# Allegro board LAY-27392_C.brd (continued)
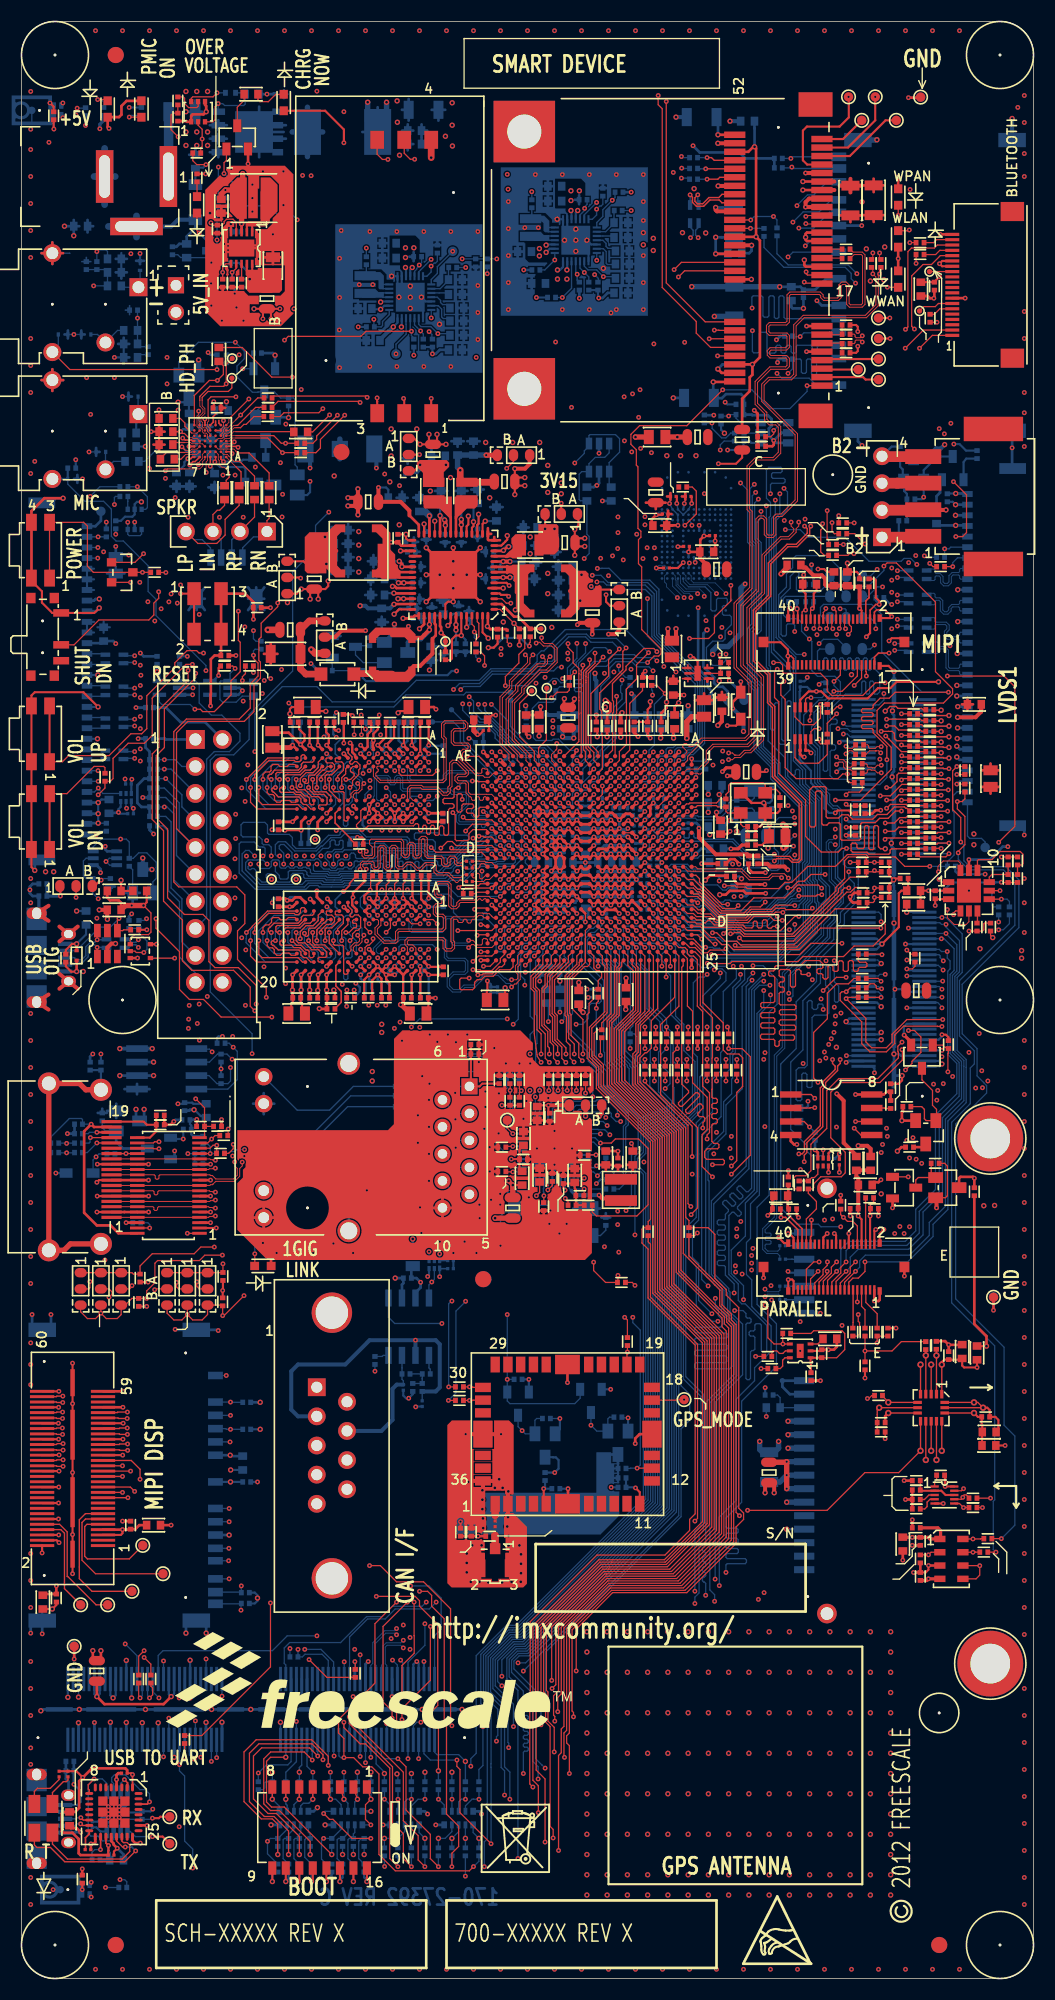
[diagram p0: board, top side]
## Routing (per net, layer and track width the routed paths; a pad name or vN(x,y) marks a point on that pad's centre or on a via; arc(x,y) is an arc through that point) (continued)
ETH_AVDD33: length 4.5
  TOP w0.203: C92.1 46.87,76.21 L18.2 ; C92.1 46.85,77.1 v1(46.1,77.1) ; C92.1 46.87,78.02 C88.1
  BOTTOM w0.127: U516.16 v1(46.1,77.1)
ETH_AVDDL: length 7.3
  TOP w0.119: L16.2 57.53,78.36 57.4,78.49 v1(57.4,78.58)
  TOP w0.127: C89.1 45.66,78.3 v1(46.25,78.3) ; C95.1 45.63,75.9 v1(46.25,75.9) ; C90.1 53.37,77.5 v1(54.07,77.5) ; C98.1 49.96,74.62 v1(49.54,74.2)
  BOTTOM w0.127: U516.8 v1(49.54,74.2) ; U516.19 v1(46.25,78.3) ; U516.13 v1(46.25,75.9) ; U516.44 v1(54.07,77.5)
ETH_LX: length 6
  TOP w0.381: L19.1 56.22,73.41 54.67,73.41 v1(54.36,73.72)
  BOTTOM w0.127: U516.3 51.57,74.34 51.77,74.14
  BOTTOM w0.381: 51.77,74.14 52.19,73.72 v1(54.36,73.72)
ETH_RBIAS: length 2.1
  TOP w0.127: R166.1 49.17,73.04 v1(49.17,73.66)
  BOTTOM w0.127: v1(49.17,73.66) 49.17,73.99 49.12,74.03 49.12,74.35 49.17,74.39 U516.9
ETH_SD: length 2.1
  BOTTOM w0.119: U516.41 53.85,78.7 54.58,77.97 R654.2
ETH_VDDIO_REG: length 9.4
  TOP w0.203: C84.1 48.65,82.17 v1(49.59,82.17) 49.59,81.46 C85.1
  TOP w0.381: v1(49.59,82.17) SH23.1
  BOTTOM w0.119: R636.1 R638.1 50.03,84.96 49.91,84.84 49.91,83.84 50.02,83.73 50.02,82.6 v1(49.59,82.17) 49.57,82.14 U516.29
ETH_WOL_INT: length 41.8
  TOP w0.119: R164.2 53.71,72.14 54.1,71.75 57.91,71.75 58.97,72.81 58.97,78.11 58.07,79 55.89,79 55.5,78.62 v1(54.49,78.62)
  TOP w0.178: U1.V21 v1(49.07,98.61)
  L3_INT_1 w0.114: v1(50.85,90.04) 50.84,90.03 50.84,87.16 50.85,87.15 50.85,86.83 50.84,86.82 50.84,85.25 51.82,84.28 51.82,81.28 54.48,78.62 v1(54.49,78.62)
  BOTTOM w0.119: v1(49.07,98.61) 49.22,98.61 49.63,98.2 50.03,98.2 50.28,97.95 50.28,96.51 51.25,95.53 51.25,90.96 51.06,90.76 51.06,90.25 v1(50.85,90.04)
  BOTTOM w0.127: U516.40 53.22,79.12 53.97,79.12 54.47,78.62 54.48,78.62 v1(54.49,78.62)
GEN_1V8: length 87.9
  TOP w0.127: C103.1 79.88,72.4 79.88,72.77 80.18,73.07 R162.1 ; Q5.2 86.93,73.47 87.12,73.66 87.12,76.45 86.87,76.71 R156.1
  TOP w0.152: J5.4 79.85,128.75 80.39,129.29 v1(80.72,129.29) ; J9.38 73.05,70.48 71.9,71.63 v1(71.47,71.63) ; J5.38 73.05,128.8 v2(72.98,128.88)
  TOP w0.203: v1(71.47,71.63) 71.47,72.36 C104.1 ; v1(79.5,126.24) 79.85,126.59 J5.4 ; R189.1 v1(79.38,56.52) ; C94.1 v1(76.96,75.86) ; R45.1 v2(54.1,118.87) ; v1(80.72,129.29) 80.72,129.59 80.39,129.92 80.39,131.57 80.26,131.69 R26.1 ; v1(74.3,115.32) 74.07,115.54 73.83,115.54 C50.1 73.78,115.59 U10.3 ; R183.1 v1(82.29,61.21) ; J9.4 v1(79.85,71.75) 79.85,72.41 C103.1 ; U15.6 v1(75.94,75.86)
  TOP w0.254: R104.1 67.1,103.28 67.39,102.99 68.27,102.99 68.3,102.95 69.48,102.95 69.48,102.95 v1(69.96,102.95)
  TOP w0.381: SH9.1 31.29,138.56 v2(30.73,138.56) ; SH9.1 v2(31.67,137.72) ; SH9.1 v2(31.67,140.16) ; SH9.1 31.29,139.32 v2(30.73,139.32) ; v1(86.11,72.52) 86.11,73.39 Q5.2
  L6_INT_2 w0.508: v2(16.68,152.29) 18.44,152.29 20.59,150.14 21.06,150.14 22.56,148.64 22.56,147.68 26.47,143.76 26.47,140.56 27.71,139.32 v2(30.73,139.32)
  BOTTOM w0.203: J504.19 77.89,90.34 v2(77.6,90.04) 77.8,89.84 J504.17 ; v1(12.37,15.96) 12.16,15.75 R694.1 11.25,15.64 9.02,15.64 8.71,15.33 8.71,14.97 8.45,14.72 8.17,14.72 8.04,14.59 U519.8 7.45,13.85 7.06,14.24 C767.1 ; J508.19 8.88,26.66 v2(8.64,26.42) 8.38,26.67 J508.17 ; v2(72.98,128.88) 72.98,129.51 C588.1 ; J508.25 v2(10.38,26.42) ; U514.1 10.36,110.29 v1(10.54,110.11) 10.55,110.1 C641.1 ; v1(80.72,129.29) 80.64,129.36 80.64,129.41 80.4,129.66 C585.1 ; J504.25 80.5,91.84 v2(80.9,91.44) ; v1(75.06,121.77) 75.29,122 75.61,122 SH501.1 ; J508.1 v2(4.38,26.48) ; J504.1 80.04,85.84 80.26,85.62 v1(80.26,85.22)
  BOTTOM w0.381: v2(53.97,122.81) 53.97,122.24 54.1,122.11 v2(54.1,118.87)
  BOTTOM w0.508: v2(16.68,152.29) 16.68,150.9 Q505.2
  vias: v1(15.37,24.23)
GEN_2V5: length 10.8
  TOP w0.203: v2(70.39,108.62) 70.39,107.52 R85.2 70.34,107.3 69.7,106.65 R87.1
  TOP w0.254: R46.1 55.12,118.95 55.43,119.26 55.43,119.96 55.12,120.27 v2(54.94,120.27) ; v2(60.71,120.09) 60.71,119.56 60.2,119.05 R50.1
  TOP w0.381: R47.1 56.39,118.98 v2(56.52,119.1)
  BOTTOM w0.254: v2(47.44,119.76) 47.5,119.71 R600.1 ; v2(70.39,108.62) 70.05,108.28 SH503.2
GEN_3V3: length 228.8
  TOP w0.203: v2(38.35,145.29) 38.35,144.73 SH5.2 ; R178.2 v1(18.95,64.74) 18.97,64.77 R169.1 ; v2(26.04,9.14) 26.16,9.27 26.16,10.41 ; v2(39.12,145.29) 39.12,144.73 SH5.2 ; R179.2 v1(11.8,63.25) ; 23.62,10.41 23.62,9.27 v2(23.62,9.14) ; v1(76.25,77.98) 75.94,77.67 U15.1 ; 28.71,10.41 v2(28.71,9.14) ; U10.7 73.28,120.31 74.08,121.11 v1(74.8,121.11) 75.26,121.11 75.92,120.45 79.63,120.45 80.59,121.41 81.76,121.41 82.36,122 v2(86.29,122) ; R19.1 18.57,123.31 v1(18.57,122.61) ; v1(86.39,160.12) 85.9,159.64 C129.1 84.64,159.61 C130.1 ; v1(16.51,80.84) 16.51,80.21 R152.1 ; SH5.2 v2(39.95,144.35) ; SH5.2 v2(37.52,144.35) 36.96,144.91 SH4.1 ; R170.1 v1(11.93,65.54) ; U8.55 43.4,126.66 43.81,126.24 43.81,126.23 v2(43.93,126.11) ; J11.2 v1(1.96,40.06) ; 32.52,10.41 v2(32.52,9.14) ; v2(27.3,9.14) 27.3,9.27 27.43,9.39 27.43,10.41 ; D3.A 28.59,175.73 30.35,173.96 v1(30.35,172.72) ; v1(76.58,109.68) 76.81,109.91 77.88,109.91 78.18,109.61 R77.1 ; J13.15 86.64,161.6 v1(86.39,161.34) 86.63,161.1 J13.14 ; 31.25,10.41 v2(31.25,9.14) ; R28.1 v2(46.86,125.48) ; U13.5 v1(12.72,97.32) ; v1(3.56,41.03) 3.33,41.25 J11.4 ; 29.98,10.41 v2(29.98,9.14) ; U8.27 v2(37.9,136.86) ; U16.2 v1(18.35,70.63) ; v2(24.89,9.14) 24.89,10.41 ; v1(77.09,73.71) R165.1
  TOP w0.254: R149.1 C83.1 81.41,83.45 81.15,83.19 U14.8 v1(78.49,83.19) ; C124.1 2.14,36.19 3.3,36.19 3.3,36.19 v1(3.3,36.96) ; R150.1 82.94,81.6 82.85,81.51 v2(82.85,80.73) Q3.2
  L3_INT_1 w0.203: v1(77.09,73.71) 77.09,74.93 76.45,75.56 76.45,77.77 v1(76.25,77.98) ; v1(52.5,158.09) 53.82,159.41 54.81,159.41 55.35,159.94 55.35,164.76 56.05,165.46 56.05,166.74 v1(57.38,168.07)
  L3_INT_1 w0.508: v1(86.39,161.34) v1(86.39,160.12) 86.39,158.9 89.74,155.55 89.74,140.51 v2(87.9,138.67) 87.9,137.68 v2(87.89,137.67) 87.89,136.74 v2(87.9,136.72)
  L6_INT_2 w0.203: v1(12.72,97.32) 12.73,97.33 12.73,97.71 12.22,98.22 8.15,98.22 7.11,99.26 v1(7.11,99.77) ; v1(18.57,122.61) 16.77,124.41 v1(15.62,124.41) 14.2,124.41 v1(12.78,122.98) 11.61,122.98 v1(11.25,122.63)
  L6_INT_2 w0.305: v1(47.27,160.76) 48.92,159.11 51.49,159.11 v1(52.5,158.09)
  BOTTOM w0.127: v2(7.24,108.71) 7.25,108.71 R614.1
  BOTTOM w0.152: C753.1 40.11,67.56 U517.6 v1(39.36,68.19)
  BOTTOM w0.203: R670.1 v2(22.48,51.69) ; C631.1 7.53,110.94 v2(7.24,110.65) v2(7.24,109.6) v2(7.24,108.71) ; Q509.2 26.89,139.58 27.17,139.85 v1(27.17,140.87) ; R560.1 66.42,148.11 v1(66.22,148.31) ; v1(16.51,80.84) 16.2,80.84 16.15,80.8 C744.1 15.87,80.4 16,80.27 R645.1 16,79.43 16.15,79.27 R647.1 ; U507.5 18.05,122.09 v1(18.57,122.61) ; v2(37.9,136.86) 37.97,136.78 37.97,136.26 C562.1 ; R727.1 65.72,103.7 65.63,103.61 65.63,103.3 v1(65.66,103.28) ; R715.1 29.21,9.78 28.71,9.28 v2(28.71,9.14) ; v2(23.62,9.14) 23.62,9.78 23.88,10.04 R719.1 ; v2(32.52,9.14) 32.52,9.28 32.26,9.54 R712.1 ; R539.1 v1(36.93,152.73) ; R643.1 73.85,81.93 74.02,82.09 v1(74.02,82.55) ; C746.1 76.01,77.74 v1(76.25,77.98) ; v1(17.58,152.98) 17.79,152.77 R554.1 ; v1(90.68,103.91) 88.13,103.91 87.88,104.17 R616.1 ; C603.1 v1(12.78,122.98) 12.99,122.77 U513.5 ; U508.4 68.68,144.49 68.51,144.66 R562.1 67.94,144.61 67.94,144.22 67.54,143.81 v1(66.45,143.81) ; R533.1 v1(31.7,155.4) ; J508.49 16.38,26.67 16.13,26.42 v2(15.88,26.42) 15.62,26.42 15.38,26.65 J508.45 ; R595.1 v1(15.62,124.41) ; R579.1 v1(8,137.03) ; v2(29.98,9.14) 29.98,9.27 30.23,9.52 R714.1 ; R717.1 26.16,9.28 26.04,9.15 v2(26.04,9.14) ; v2(87.9,138.67) 87.62,138.94 R574.1 ; C761.1 v2(19.7,47.86) ; D504.A v1(3.25,75.79) ; J507.4 v2(19.69,46.74) 20.83,46.74 C763.1 ; R674.1 21.97,36.32 22.23,36.07 v2(22.23,35.81) 22.23,35.56 21.97,35.31 R675.1 ; v2(24.89,9.14) 25.15,9.4 R718.1 ; v1(76.58,109.68) 75.97,109.68 75.56,110.08 75.56,111.23 74.3,112.5 74.3,113.64 73.23,114.71 73.23,121.09 73.28,121.15 C602.1 73.93,121.53 74.35,121.11 v1(74.8,121.11) ; U514.6 10.36,112.45 C622.1 10.35,112.79 v1(10.4,112.84) ; v2(31.25,9.14) 31.25,9.28 31.24,9.29 R713.1 ; R716.1 v2(27.3,9.14) ; v2(66.15,145.4) 65.84,145.71 R567.1 ; R666.1 v1(69.98,55.61) ; J508.47 v2(15.88,29.96)
  BOTTOM w0.254: v1(53.34,92.32) 53.36,92.34 R625.1 ; R536.1 v1(52.5,158.09) ; J502.4 88.96,136.72 v2(87.9,136.72) 86.27,136.72 C557.1 ; SH502.1 v1(10.79,119.58) ; R512.1 v1(57.38,168.07) ; J503.3 6.23,109.6 v2(7.24,109.6) ; J502.3 v2(87.89,137.67) ; R612.1 R611.1 11.3,110.24 10.92,110.62 10.92,112.27 11.56,112.9 R607.1 R606.1 R603.1 12.07,115.44 11.69,115.82 R601.1 v1(11,116.66) ; v2(7.24,108.71) 6.25,108.71 J503.2 ; R532.1 v1(47.27,160.76) ; J502.2 v2(87.9,138.67) ; J503.4 v2(7.24,110.65)
  vias: v1(31.22,26.54) v1(51.77,147.83) v2(60.73,143.28) v2(62.03,143.28) v2(63.47,143.28) v2(90.55,72.72) v2(91.57,72.75)
GEN_FB: length 9.1
  TOP w0.119: U8.25 v2(38.9,137.13)
  TOP w0.203: SH4.2 v1(37.46,143.38)
  L3_INT_1 w0.203: v1(37.46,143.38) 37.87,142.98 37.87,142.71 38.03,142.55 38.03,140.15 38.02,140.14 38.02,138.64 38.94,137.73 38.94,137.17 v2(38.9,137.13)
GPANAIO: length 0.6
  TOP w0.178: v1(61.87,109.81) U1.C8
GPIO_0_CLKO: length 185.2
  TOP w0.119: v1(71.12,123.19) 70.87,122.94 70.87,120.52 71.27,120.12 71.27,113.39 73.79,110.87 73.79,107.47 75.26,105.99 76.86,105.99 77.2,106.34 v1(77.64,106.34)
  TOP w0.127: v1(11.18,46.99) 11.18,47.93 10.35,48.76 J11.33 ; U15.2 v1(75.44,77.98)
  TOP w0.178: U1.T5 v1(50.67,112.21)
  L3_INT_1 w0.114: v1(75.44,77.98) 75.44,75.82 74.55,74.93 74.55,73.53 75.06,73.02 75.06,69.85 73.28,68.07 v1(73.28,61.82)
  L6_INT_2 w0.114: v1(71.12,123.19) 67.59,123.19 66.95,122.54 66.64,122.54 66.15,122.54 64.88,122.54 64.35,122.54 64.13,122.76 63.78,123.11 63.27,123.62 62.43,123.62 62.22,123.84 62.08,123.98 v1(59.8,123.98) ; v1(11.18,46.99) 18.41,46.99 18.8,47.37 22.73,47.37 26.8,51.43 28.45,51.43 29.85,52.83 32.26,52.83 33.72,54.29 33.72,58.23 37.69,62.2 40.23,62.2 40.42,62.01 53.14,62.01 53.68,61.47 65.37,61.47 65.37,61.46 65.69,61.46 65.7,61.47 69.09,61.47 69.44,61.82 v1(73.28,61.82)
  BOTTOM w0.119: J504.63 v1(77.64,106.34) 77.34,106.04 77.34,104.85 77.66,104.53 78.5,104.53 78.74,104.29 78.74,102.93 78.74,102.93 78.74,102.3 78.74,102.3 78.74,101.45 77.44,100.15 77.44,99.24 76.81,98.61 76.81,97.62 75.19,96 75.19,93.66 73.53,92.01 73.53,87.38 72.39,86.23 72.39,79.91 73.91,78.38 73.91,77.85 74.35,77.42 75.29,77.42 75.44,77.56 v1(75.44,77.98) ; v1(50.67,112.21) 50.87,112.21 51.08,112.42 51.08,113.18 51.32,113.42 51.63,113.42 51.86,113.65 51.86,113.95 52.13,114.22 52.43,114.22 53.14,114.93 53.14,123.19 53.87,123.93 54.99,123.93 55.62,124.57 55.85,124.57 57.67,124.56 57.96,124.28 59.49,124.28 v1(59.8,123.98)
GPS_1V5: length 3.6
  BOTTOM w0.203: Q519.3 50.01,49.07 50.03,49.05 50.29,49.05 50.55,48.79 50.55,47.98 v1(50.18,47.62) R672.1
GPS_1V5_ON: length 5
  BOTTOM w0.119: R669.2 48.49,52.7 48.33,52.54 Q519.1 47.41,51.26 v1(47.12,51.56) 46.74,51.94 Q517.3
GPS_3V15: length 5.6
  TOP w0.203: L22.1 v1(41.33,43)
  BOTTOM w0.203: R671.1 56.14,49.31 Q518.3 ; R671.1 55.75,48.01 ; R671.1 R673.1 ; R673.1 56.14,46.7 ; R673.1 55.75,47.12
  BOTTOM w0.254: 56.13,48.46 Q518.3 55.46,49.32
GPS_3V15_ON: length 4.8
  BOTTOM w0.119: R668.2 55.34,52.83 55.18,52.67 Q518.1 54.15,51.52 v1(53.59,52.07) Q516.3
GPS_MODE: length 3
  TOP w0.119: v1(62.36,54.48) 61.73,54.48 61.67,54.43 U19.17
GPS_PPS: length 37.3
  TOP w0.119: v1(66.55,87.5) 67.82,87.5 68.58,86.74 68.58,77.47 v1(66.8,75.69) ; R186.2 57.02,61.98 56.78,62.22 v1(56.77,62.22)
  TOP w0.127: R129.1 v1(66.55,87.5)
  L3_INT_1 w0.114: v1(66.8,75.69) 63.4,72.29 63.4,71.35 63.21,71.16 63.21,67.58 63.4,67.39 63.4,64.8 60.44,61.84 57.16,61.84 56.78,62.22 v1(56.77,62.22)
GPS_PPS1: length 1.8
  TOP w0.119: U19.20 56.98,58.72 57.02,58.76 v1(57.02,58.95) R186.1
GPS_PWREN: length 56.4
  TOP w0.119: R131.1 v1(58.67,84.45) 58.67,84.33 62.73,80.28 62.73,72.92 62.99,72.65 v1(62.99,72.64)
  L3_INT_1 w0.114: v1(45.72,62.48) 45.85,62.61 59.56,62.61 62.63,65.68 62.63,72.28 v1(62.99,72.64)
  BOTTOM w0.119: R664.1 v1(45.72,56.39) ; v1(45.72,56.39) v1(45.72,62.48) ; v1(45.72,56.39) Q517.1 45.72,54.36 45.97,54.1 52.07,54.1 52.58,54.61 Q516.1
GPS_RESET_B: length 48.1
  TOP w0.119: v1(61.72,87.5) 61.31,87.09 61.31,82.38 63.63,80.06 63.63,72.52 63.02,71.91 v1(63.02,71.88) ; U19.13 v1(57.94,48.03)
  TOP w0.127: R124.1 v1(61.72,87.5)
  L3_INT_1 w0.114: v1(63.02,71.88) 62.99,71.86 62.99,65.15 60.06,62.22 v1(57.53,62.22)
  BOTTOM w0.119: v1(57.53,62.22) 57.53,61.72 58.23,61.02 58.23,48.33 v1(57.94,48.03) 57.33,48.03 57.31,48.01 R671.2
GPS_RFIN: length 1.1
  TOP w0.711: U19.1 44.58,44.68 44.58,43.59
GPS_RFIN_3V15: length 2.4
  TOP w0.254: L22.2 41.33,41.63 42.34,41.63 C118.1 42.35,41.63 v1(42.98,41.63) L23.1
GPS_RFIN_CON: length 1.3
  TOP w0.711: J12.1 44.58,41.71
GPS_RXD: length 1.9
  TOP w0.119: U19.30 42.5,55.63 42.45,55.68 v1(42.16,55.68) R192.2
GPS_TXD: length 1.8
  TOP w0.119: R194.2 v1(42.16,54.41) 42.47,54.41 42.5,54.43 U19.31
GPS_VBAT: length 3.1
  TOP w0.203: v1(49.15,46.1) 49.15,44.92 U19.5
  BOTTOM w0.203: R672.2 49.28,46.23 v1(49.15,46.1) C765.1
GPS_VDD: length 3.5
  TOP w0.203: v1(57.78,46.18) 58.18,45.78 U19.11
  BOTTOM w0.203: v1(57.78,46.18) 57.73,46.23 C764.1 R673.2
H_CLK_OUT: length 3.1
  TOP w0.119: v1(7.11,78.63) J8.15
  BOTTOM w0.119: v1(7.11,78.63) 6.21,77.72 R650.2
H_DAT_OUT: length 3.2
  TOP w0.119: J8.16 v1(6.5,79.13)
  BOTTOM w0.119: R648.2 6.37,78.61 6.47,78.71 6.47,79.1 v1(6.5,79.13)
HDMI_5V_OUT: length 22.9
  TOP w0.254: J8.18 6.84,80.13 v1(6.58,80.39) 5.92,79.73 5.92,72.06 7.11,70.87 8.41,70.87 9.14,70.13 U16.38
  BOTTOM w0.119: v1(6.58,80.39) C745.1 5.76,80.83 5.67,80.92 4.52,80.92 2.77,79.18 R649.2 R651.2
HDMI_CEC_IN: length 3.7
  TOP w0.119: U16.16 v1(17.77,77.63)
  BOTTOM w0.119: R647.2 17.54,78.52 17.57,78.49 17.58,78.49 17.77,78.29 v1(17.77,77.63) ; R653.2 17.09,77.63 v1(17.77,77.63) ; R652.2 18.35,77.63 v1(17.77,77.63)
HDMI_CEC_OUT: length 3.5
  TOP w0.119: J8.13 v1(9.86,77.63) U16.23
  BOTTOM w0.119: v1(9.86,77.63) 8.84,77.63 R655.1
HDMI_CHASSIS: length 28.9
  TOP w0.508: J8.G1 4.62,69.13 4.02,68.53 J8.G3 J8.G4 5.47,84.23 6.07,83.63 J8.G2
  BOTTOM w0.203: J8.G2 7.49,85.35 R630.2 C738.2
HDMI_CLKM: length 144.7
  TOP w0.094: J8.12 U16.24 U16.15 17.74,77.13 17.81,77.06 17.98,77.06 18.04,77 v1(18.26,77) ; U1.J5 v1(57.07,112.21)
  L6_INT_2 w0.094: 57.49,112.76 57.07,112.33 v1(57.07,112.21)
  L6_INT_2 w0.097: 57.49,112.76 57.49,112.76 57.49,113.17 57.63,113.31 57.63,113.51 57.49,113.65 57.49,113.97 57.66,114.14 57.66,114.28 57.49,114.45 57.49,114.77 57.66,114.94 57.66,115.08 57.58,115.16 57.35,115.16 57.28,115.24 57.28,115.44 57.62,115.79 58.06,115.79 58.45,116.17 58.45,117.83 56.28,120 55.79,120 54.88,120.9 47.92,120.9 46.15,122.68 44.84,122.68 44.04,123.48 44.04,123.67 42.57,125.15 40.64,125.15 40.52,125.26 32.06,125.26 31.99,125.33 31.6,125.73 31.6,125.73 31.2,126.12 31.05,126.27 29.72,126.27 28.33,127.66 26.43,127.66 24.87,126.1 19.09,126.1 18.24,126.94 11.64,126.94 10.58,128 7.12,128 6.35,128 4.79,126.44 4.79,103.65 2.92,101.78 2.92,92.58 4.43,91.07 4.43,81.12 3.71,80.4 3.71,77.16 4.62,76.25 15.81,76.25 16.04,76.48 16.3,76.48 16.4,76.58 16.4,76.99 16.49,77.09 16.65,77.09 16.75,76.99 16.75,76.58 16.85,76.48 17.12,76.48 17.65,77.01 17.96,77.01 17.97,77 v1(18.26,77)
HDMI_CLKP: length 144.7
  TOP w0.094: J8.10 U16.26 U16.13 17.63,76.13 17.7,76.2 17.98,76.2 18.04,76.25 v1(18.26,76.25) ; U1.J6 v1(57.07,111.41)
  L6_INT_2 w0.094: 57.71,112.59 57.49,112.37 57.49,111.83 v1(57.07,111.41)
  L6_INT_2 w0.097: v1(18.26,76.25) 17.97,76.25 17.96,76.25 16.13,76.25 15.9,76.02 4.52,76.02 3.48,77.06 3.48,80.49 4.2,81.21 4.2,90.98 2.69,92.49 2.69,101.88 4.56,103.75 4.56,126.54 6.25,128.23 7.21,128.23 10.68,128.23 11.73,127.17 18.34,127.17 19.18,126.33 24.78,126.33 26.33,127.88 28.43,127.88 29.81,126.5 31.15,126.5 31.36,126.28 31.69,125.95 32.15,125.49 40.62,125.49 40.73,125.37 42.67,125.37 44.27,123.77 44.27,123.57 44.93,122.91 46.24,122.91 48.02,121.13 54.97,121.13 55.88,120.22 56.38,120.22 58.67,117.93 58.67,116.08 58.28,115.68 58.28,112.89 58.02,112.63 57.75,112.63 57.71,112.59
HDMI_D0M: length 141.9
  TOP w0.094: U1.K5 v1(56.27,112.21) ; J8.9 U16.27 12.51,75.63 12.6,75.53 12.6,75.32 12.7,75.22 12.86,75.22 12.95,75.32 12.95,75.53 13.05,75.63 U16.12 17.74,75.63 17.81,75.56 17.98,75.56 18.3,75.24 19.97,75.24 20.32,75.59 20.32,76.23 20.08,76.47 v1(20.08,76.84)
  L6_INT_2 w0.094: v1(56.27,112.21) 56.27,112.48 55.89,112.85 55.89,113.17
  L6_INT_2 w0.097: 55.89,113.17 55.62,113.43 55.31,113.43 55.25,113.49 55.16,113.58 55.16,113.59 55.09,113.65 55.09,115.81 55.74,116.47 55.74,117.1 55.09,117.75 51.74,117.75 51.43,118.06 51.17,118.06 50.27,118.97 49.76,118.97 49.13,118.34 47.23,118.34 44.44,121.13 43.71,121.13 41.2,123.64 40.01,123.64 39.9,123.75 31.43,123.75 30.73,124.46 30.03,124.46 29.42,123.85 28.14,123.85 27.53,124.46 26.6,124.46 26.17,124.03 18.74,124.03 17.44,125.32 11.13,125.32 9.96,126.49 6.98,126.49 6.3,125.81 6.3,96.41 6.81,95.9 6.81,94.2 5.97,93.36 5.97,89.92 6.63,89.26 6.63,88.64 5.97,87.98 5.97,86.9 7.5,85.37 10.37,85.37 10.62,85.12 10.62,83.08 10.47,82.93 9.04,82.93 8.64,82.52 8.64,80.92 8.97,80.59 10.03,80.59 10.46,81.02 12.29,81.02 12.57,81.31 14.43,81.31 15.45,80.28 16.09,80.28 16.34,80.04 18.51,80.04 19.4,79.15 19.91,79.15 20.32,78.74 20.32,77.08 v1(20.08,76.84)
HDMI_D0P: length 141.9
  TOP w0.094: J8.7 U16.29 U16.10 17.73,74.63 17.81,74.7 17.98,74.7 18.04,74.75 18.04,74.75 18.3,75.01 20.07,75.01 20.55,75.5 20.55,76.23 20.79,76.47 20.79,76.84 20.79,76.84 20.79,76.82 v1(20.78,76.82) ; U1.K6 v1(56.27,111.41)
  L6_INT_2 w0.094: v1(56.27,111.41) 55.88,111.8 55.88,112.39 55.64,112.63
  L6_INT_2 w0.097: 55.64,112.63 55.63,112.63 55.62,112.63 55.31,112.63 55.09,112.85 55.09,113.33 54.93,113.49 54.93,113.49 54.86,113.56 54.86,115.91 55.52,116.56 55.52,117.01 55,117.52 51.64,117.52 51.33,117.83 51.08,117.83 50.17,118.74 49.86,118.74 49.23,118.11 47.14,118.11 44.35,120.9 43.62,120.9 41.11,123.41 39.92,123.41 39.8,123.53 31.34,123.53 30.63,124.23 30.12,124.23 29.51,123.62 28.04,123.62 27.43,124.23 26.7,124.23 26.26,123.8 18.64,123.8 17.35,125.09 11.03,125.09 9.86,126.26 7.08,126.26 6.53,125.71 6.53,96.5 6.97,96.06 7.04,95.99 7.04,95.5 7.04,94.1 6.2,93.26 6.2,90.02 6.86,89.36 6.86,88.54 6.2,87.88 6.2,86.99 7.6,85.6 7.87,85.6 10.47,85.6 10.85,85.22 10.85,82.98 10.57,82.7 9.14,82.7 8.86,82.43 8.86,81.02 9.06,80.82 9.94,80.82 10.37,81.25 12.2,81.25 12.48,81.53 14.52,81.53 15.55,80.51 16.19,80.51 16.43,80.26 18.6,80.26 19.49,79.38 20.01,79.38 20.55,78.83 20.55,77.08 20.79,76.84 20.79,76.84 20.79,76.84 20.79,76.82 v1(20.78,76.82)
HDMI_D1M: length 142.9
  TOP w0.094: v1(57.07,113.81) U1.J3 ; J8.6 U16.30 12.4,74.13 12.5,74.03 12.5,73.84 12.59,73.75 12.75,73.75 12.84,73.84 12.84,74.03 12.94,74.13 U16.9 17.71,74.13 17.77,74.06 17.98,74.06 18.04,74 v1(18.26,74)
  L6_INT_2 w0.097: v1(18.26,74) 18.53,73.74 20.2,73.74 20.4,73.93 20.4,74.91 20.23,75.08 19.06,75.08 18.67,75.47 18.67,77.27 17.93,78.01 17.62,78.01 17.62,78 16.89,78 16.56,78.33 14.28,78.33 12.94,79.68 11.1,79.68 10.74,79.32 8.31,79.32 6.67,80.95 5.17,80.95 4.78,81.34 4.78,91.29 3.27,92.8 3.27,100.73 5.14,102.6 5.14,126.3 6.49,127.65 10.44,127.65 11.49,126.59 17.98,126.59 18.11,126.46 18.82,125.75 25.12,125.75 26.68,127.3 28.19,127.3 29.57,125.92 30.9,125.92 31.91,124.91 40.38,124.91 40.49,124.8 41.68,124.8 44.19,122.29 46.04,122.29 47.36,120.97 47.36,120.97 47.96,120.37 49.12,120.37 49.36,120.12 50.75,120.12 51.27,119.61 54.32,119.61 54.96,118.97 55.93,118.97 55.99,118.91 56.56,118.35 56.71,118.19 56.71,118.19 57.65,117.26 57.65,116.22 56.69,115.26 56.69,114.37 56.92,114.14 56.92,113.96 v1(57.07,113.81)
HDMI_D1P: length 142.9
  TOP w0.094: J8.4 U16.32 U16.7 17.73,73.13 17.8,73.2 17.98,73.2 18.04,73.25 v1(18.26,73.25) ; U1.J4 v1(57.07,113.01)
  L6_INT_2 w0.097: v1(57.07,113.01) 57.04,113.01 56.69,113.36 56.69,114.05 56.46,114.27 56.46,115.36 57.42,116.32 57.42,117.16 56.62,117.96 56.39,118.19 55.9,118.68 55.83,118.74 54.86,118.74 54.23,119.38 51.17,119.38 50.66,119.9 49.27,119.9 49.02,120.14 47.86,120.14 47.13,120.87 47.13,120.88 45.95,122.06 44.1,122.06 41.59,124.57 40.4,124.57 40.28,124.68 31.82,124.68 30.81,125.69 29.48,125.69 28.09,127.08 26.77,127.08 25.21,125.52 18.73,125.52 17.88,126.36 11.4,126.36 10.34,127.42 6.88,127.42 6.59,127.42 5.37,126.2 5.37,102.51 3.5,100.64 3.5,92.89 5.01,91.38 5.01,81.43 5.26,81.18 6.77,81.18 8.4,79.54 10.64,79.54 11,79.91 13.03,79.91 14.38,78.56 16.66,78.56 16.98,78.23 18.03,78.23 18.9,77.36 18.9,75.56 19.15,75.31 20.32,75.31 20.62,75.01 20.62,73.84 20.29,73.51 18.52,73.51 v1(18.26,73.25)
HDMI_D2M: length 142.3
  TOP w0.094: v1(56.27,113.81) U1.K3 ; v1(18.26,72.5) 18.04,72.5 17.98,72.56 17.7,72.56 17.63,72.63 U16.6 12.92,72.63 12.82,72.53 12.82,72.37 12.73,72.28 12.57,72.28 12.48,72.37 12.48,72.53 12.38,72.63 U16.33 J8.3
  L6_INT_2 w0.097: v1(18.26,72.5) 18.55,72.21 20.96,72.21 21.13,72.38 21.13,75.47 20.91,75.69 19.95,75.69 19.25,76.38 19.25,78.26 18.12,79.4 14.42,79.4 13.48,80.34 10.94,80.34 10.5,79.9 8.55,79.9 6.86,81.58 5.84,81.58 5.36,82.07 5.36,93.57 6.23,94.44 6.23,95.64 5.87,96.01 5.72,96.15 5.72,126.06 6.73,127.07 10.2,127.07 11.37,125.9 17.82,125.9 18.56,125.17 25.4,125.17 26.6,126.36 27.25,126.36 27.25,126.36 27.31,126.36 28.33,125.34 30.66,125.34 31.67,124.33 40.14,124.33 40.25,124.22 41.44,124.22 43.95,121.71 44.68,121.71 47.13,119.26 49.24,119.26 49.52,119.55 50.51,119.55 51.41,118.64 51.67,118.64 51.98,118.33 55.75,118.33 56.25,117.83 56.47,117.61 56.6,117.49 57.03,117.06 57.03,116.42 56.13,115.53 56.13,113.94 v1(56.27,113.81)
HDMI_D2P: length 142.4
  TOP w0.094: U1.K4 v1(56.27,113.01) ; v1(18.26,71.75) 18.04,71.75 17.98,71.7 17.7,71.7 17.63,71.63 U16.4 U16.35 J8.1
  L6_INT_2 w0.097: v1(18.26,71.75) 18.49,71.98 21.06,71.98 21.36,72.29 21.36,75.56 21.01,75.92 20.04,75.92 19.48,76.48 19.48,78.36 18.21,79.63 14.51,79.63 13.57,80.57 10.85,80.57 10.4,80.12 8.64,80.12 6.95,81.81 5.94,81.81 5.59,82.16 5.59,93.47 6.46,94.34 6.46,95.74 6.03,96.17 5.95,96.25 5.95,125.96 6.82,126.84 10.1,126.84 11.27,125.67 17.73,125.67 18.46,124.94 25.5,124.94 26.7,126.14 27.15,126.14 27.16,126.13 27.22,126.13 28.24,125.11 30.57,125.11 31.58,124.1 40.04,124.1 40.16,123.99 41.35,123.99 43.86,121.48 44.59,121.48 47.03,119.03 49.33,119.03 49.62,119.32 50.41,119.32 51.32,118.41 51.57,118.41 51.88,118.1 55.66,118.1 56.09,117.67 56.31,117.45 56.5,117.26 56.5,117.26 56.8,116.96 56.8,116.52 55.91,115.62 55.91,113.98 55.89,113.97 55.89,113.65 56.27,113.27 v1(56.27,113.01)
HDMI_DDC_CLK_IN: length 68
  TOP w0.119: R219.1 16.99,22.88 23.44,29.34 v1(23.44,35.36) ; R154.2 18.39,77.67 v1(18.39,78.41) 18.03,78.41 17.75,78.13 U16.17
  L3_INT_1 w0.114: v1(18.39,78.41) 18.39,79.2 18.16,79.43 17.45,79.43 17.02,78.99 17.02,67.51 18.36,66.16 18.36,64.62 23.04,59.95 23.04,36.96 23.44,36.55 v1(23.44,35.36)
HDMI_DDC_CLK_OUT: length 12.4
  TOP w0.119: v1(12.95,78.08) 12.46,78.08 12.41,78.13 U16.22
  L6_INT_2 w0.114: v1(12.95,78.08) 9.55,78.08 9.3,77.83 6.88,77.83 6.76,77.7 v1(4.27,77.7)
  BOTTOM w0.119: R651.1 3.55,77.7 v1(4.27,77.7) 4.98,77.7 R650.1
HDMI_DDC_DAT_IN: length 60.4
  TOP w0.119: R218.1 28.75,28.35 v1(27.08,30.02) ; R153.2 18.24,79.32 v1(17.91,78.99) 17.54,78.63 U16.18
  L3_INT_1 w0.114: v1(27.08,30.02) 27.08,31.32 23.88,34.52 23.88,36.75 23.47,37.16 23.47,60.55 19.69,64.34 19.69,65.71 17.4,68 17.4,77.46 17.39,77.47 17.39,78.47 v1(17.91,78.99)
HDMI_DDC_DAT_OUT: length 12.7
  TOP w0.119: v1(12.95,78.74) 12.54,78.74 12.43,78.63 U16.21
  L6_INT_2 w0.114: v1(12.95,78.74) 8.1,78.74 7.54,78.18 6.48,78.18 6.05,78.61 4.29,78.61 v1(4.27,78.59)
  BOTTOM w0.119: R648.1 4.29,78.61 v1(4.27,78.59) 4.24,78.61 R649.1
HDMI_DDCCEC: length 102.4
  TOP w0.119: U1.K2 56.27,114.61 56.27,115.45 56.93,116.11 56.93,121.33 57.89,122.28 57.89,123.63 v1(59.01,124.75)
  L3_INT_1 w0.114: v1(15.67,77.62) 15.67,81.76 16.18,82.27 16.45,82.27 17.36,83.18 17.36,89.42 17.5,89.56 v1(17.5,92.41)
  L6_INT_2 w0.114: v1(21.97,115.44) 18.49,115.44 17.63,114.58 17.63,93.12 17.5,92.99 v1(17.5,92.41)
  BOTTOM w0.119: v1(15.67,77.62) R653.1 R656.1 ; v1(59.01,124.75) 58.72,125.05 58.72,125.06 56.86,126.92 51.18,126.92 49.17,124.92 48.92,124.92 48.53,124.53 48.53,123.91 47.85,123.23 44.18,123.23 43.1,122.15 37.16,122.15 35.13,120.12 29.24,120.12 27.81,121.56 24.55,121.56 21.97,118.97 v1(21.97,115.44)
HDMI_ESD: length 2.4
  TOP w0.119: U16.37 v1(12.08,70.63)
  BOTTOM w0.119: v1(12.08,70.63) 12.08,70.95 11.91,71.12 C749.1
HDMI_GND: length 2.8
  TOP w0.203: J8.17 v1(7.11,79.63)
  BOTTOM w0.119: SH504.2 6.29,79.5 6.42,79.63 v1(7.11,79.63)
HDMI_HPD: length 109.1
  TOP w0.119: U1.K1 55.87,118.87 56.01,119.01 v1(56.01,120.65) ; C87.1 R152.2 ; R152.2 17.24,81.95 v1(16.41,82.78) ; R152.2 17.24,79.18 17.19,79.13 U16.19
  L3_INT_1 w0.114: v1(16.41,82.78) 16.41,87.38 13.61,90.17 13.61,93.98 12.9,94.69 12.9,96.57 13.82,97.49 13.82,109.17 12.64,110.34 12.64,120.53 12.38,120.79 12.38,126.52 12.56,126.7 v1(12.56,127.73)
  L6_INT_2 w0.114: v1(56.01,120.65) 55.16,121.49 48.17,121.49 46.37,123.29 45.34,123.29 44.53,124.1 44.53,126.44 44.27,126.7 44.27,127.48 43.87,127.89 37.29,127.89 37.03,127.63 37.03,126.97 36.63,126.57 33.68,126.57 32.48,127.77 29.65,127.77 28.65,128.77 26.14,128.77 25.67,128.3 21.64,128.3 21.05,127.7 19.79,127.7 19.61,127.89 13.31,127.89 13.15,127.73 v1(12.56,127.73)
HDMI_RESREF: length 7.4
  TOP w0.119: U1.J1 57.24,115.59 57.24,119.98 58.45,121.18 R37.1
HDMI_VP: length 2.9
  TOP w0.178: U1.L7 v1(55.47,110.61)
  TOP w0.305: v1(58.03,116.85) 57.66,117.22 R48.2